# Altium PCB EL6905.PcbDoc (part 2 of 2)
Units mil, origin at the board's own origin, x right, y up, seen from the top; angles counter-clockwise.
Board outline 2401.57 x 1338.58 mil, 6 copper layers (L1_TOP, L2_GND, L3_HS, L4_POWER, L5_GND, L6_BOT), stack 61.6 mil thick; 95 components, 73 nets, 323 pads, 150 vias.
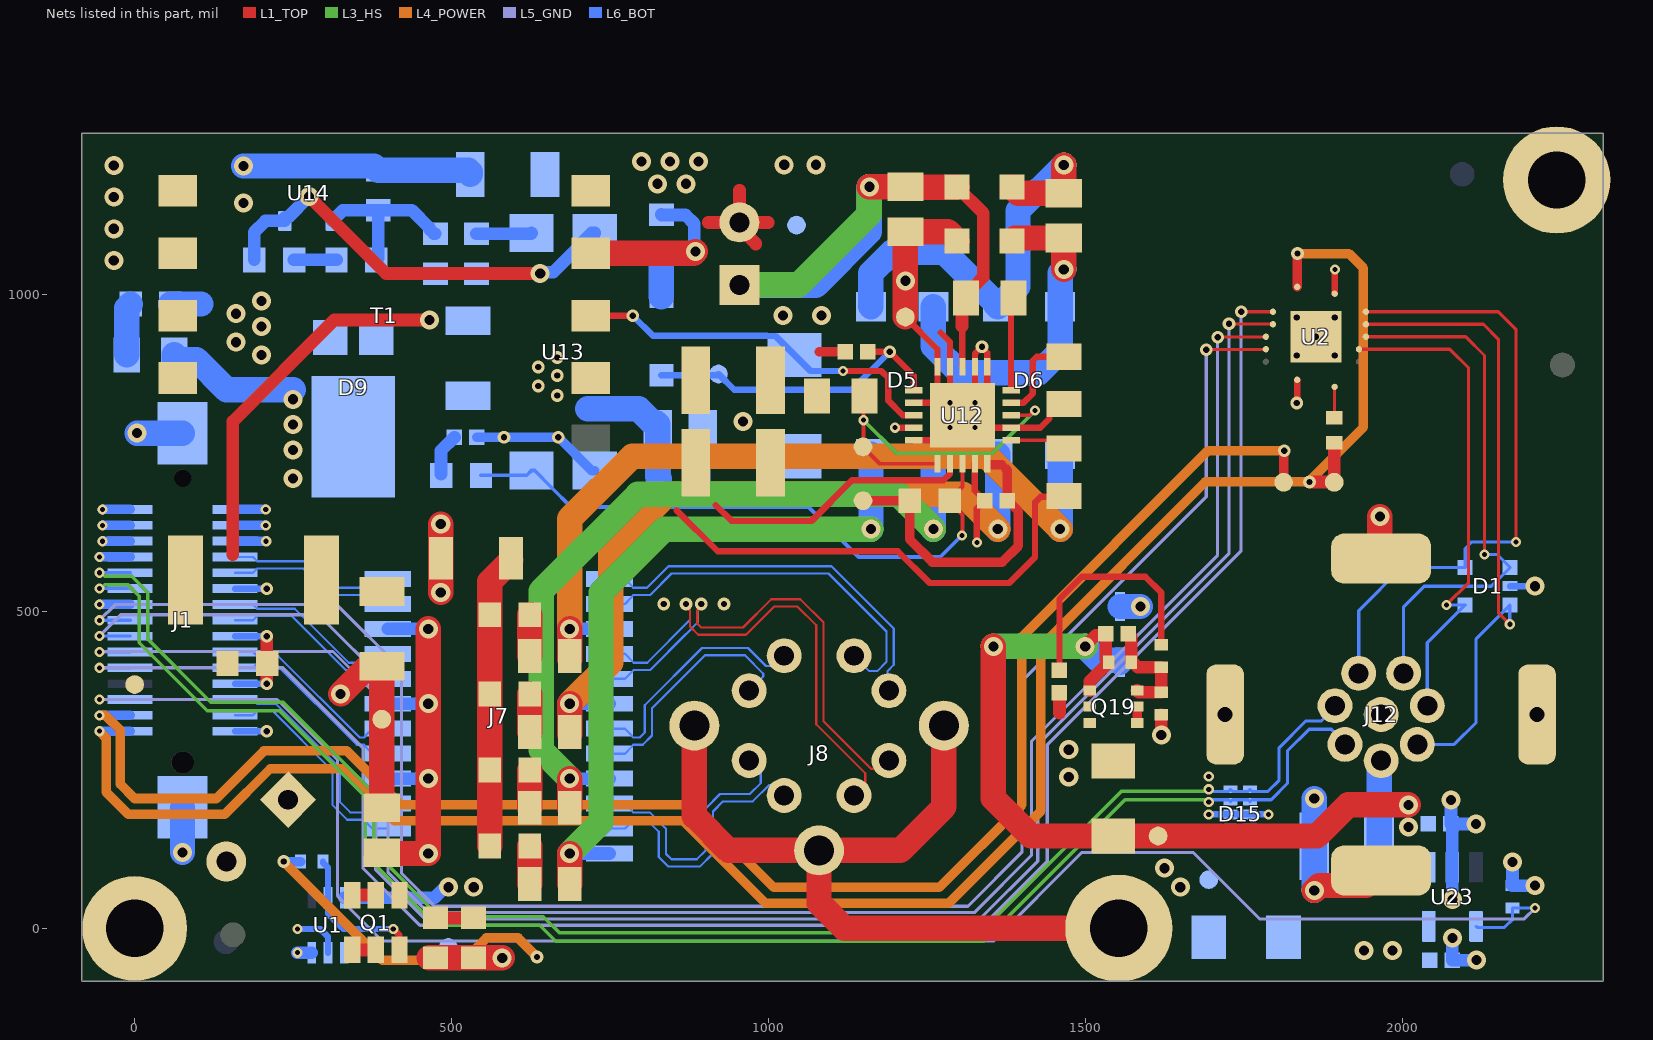
[diagram p6: the nets of this part, all layers, seen from the top]

## Part data (continued)
R89: library part CRCW080588K7FKEA, "RES SMD 88.7K OHM 1% 1/8W 0805", Case Code (Imperial)=0805, Case Code (Metric)=2012, Manufacturer 1=Vishay, Max Operating Temperature=155°C, Max Power Dissipation=125mW, Min Operating Temperature=-55°C, Package Quantity=10, Resistance=88.7kR, Supplier Part Number 1=541-88.7KCCT-ND, Temperature Coefficient=100ppm/°C, Tolerance=1%, Voltage Rating=150V, Case/Package=0805, ComponentLink1Description=https://datasheet.ciiva.com/7816/1697337-7816134.pdf?src-supplier=Element14, ComponentLink1URL=https://datasheet.ciiva.com/7816/1697337-7816134.pdf?src-supplier=Element14, ComponentLink2Description=https://datasheet.ciiva.com/2496/dcrcwe3-2496001.pdf?src-supplier=Digi-Key, ComponentLink2URL=https://datasheet.ciiva.com/2496/dcrcwe3-2496001.pdf?src-supplier=Digi-Key, ComponentLink3Description=https://datasheet.ciiva.com/2496/dcrcwe3-2496002.pdf?src-supplier=Digi-Key, ComponentLink3URL=https://datasheet.ciiva.com/2496/dcrcwe3-2496002.pdf?src-supplier=Digi-Key, ComponentLink4Description=https://datasheet.ciiva.com/2496/dcrcwe3-2496003.pdf?src-supplier=Digi-Key, ComponentLink4URL=https://datasheet.ciiva.com/2496/dcrcwe3-2496003.pdf?src-supplier=Digi-Key, ComponentLink5Description=https://datasheet.ciiva.com/7816/1697337-7816135.pdf?src-supplier=Element14, ComponentLink5URL=https://datasheet.ciiva.com/7816/1697337-7816135.pdf?src-supplier=Element14, ComponentLink6Description=https://datasheet.ciiva.com/22705/1697337-22705887.pdf?src-supplier=Element14, ComponentLink6URL=https://datasheet.ciiva.com/22705/1697337-22705887.pdf?src-supplier=Element14, Composition="Thick Film", Contact Plating=Tin, Features="Automotive AEC-Q200", Height=0.02inch, Height - Seated (Max)=0.02inch, Lead Free="Lead Free", Length=0.079inch, Manufacturer Part Number 1=CRCW080588K7FKEA, Number of Pins=2, Number of Terminations=2, Packaging="Tape and Reel", Power Rating=125mW, Pricing 1="1=0.10000, 10=0.06200, 100=0.02540, 1000=0.01142, 2500=0.00991 (USD)", Radiation Hardening=No, REACH SVHC=Unknown, RoHS=Yes, Stock 1=5728, Supplier 1=Digi-Key, Supplier 2=Newark, Supplier 3=Mouser, Supplier Part Number 2=53K0521, Supplier Part Number 3=71-CRCW0805-88.7K-E3, Termination=SMD/SMT, Voltage Rating (DC)=150V, Weight=0.000194oz, Width=0.049inch
R90: library part RC0603FR-0736K5L, "RES SMD 36.5K OHM 1% 1/10W 0603", Case Code (Imperial)=0603, Case Code (Metric)=1608, Manufacturer 1=Yageo, Max Operating Temperature=155°C, Max Power Dissipation=100mW, Min Operating Temperature=-55°C, Package Quantity=1, Resistance=36.5kR, Supplier Part Number 1=311-36.5KHRCT-ND, Temperature Coefficient=100ppm/°C, Tolerance=1%, Voltage Rating=50V, Working Voltage=75V, Case/Package=0603, ComponentLink1Description=https://datasheet.ciiva.com/2491/pyu-r-int-thick-7-2491306.pdf?src-supplier=Digi-Key, ComponentLink1URL=https://datasheet.ciiva.com/2491/pyu-r-int-thick-7-2491306.pdf?src-supplier=Digi-Key, ComponentLink2Description=https://datasheet.ciiva.com/2491/pyu-r-int-thick-7-2491307.pdf?src-supplier=Digi-Key, ComponentLink2URL=https://datasheet.ciiva.com/2491/pyu-r-int-thick-7-2491307.pdf?src-supplier=Digi-Key, ComponentLink3Description=https://datasheet.ciiva.com/2491/pyu-r-int-thick-7-2491308.pdf?src-supplier=Digi-Key, ComponentLink3URL=https://datasheet.ciiva.com/2491/pyu-r-int-thick-7-2491308.pdf?src-supplier=Digi-Key, Composition="Thick Film", Depth=0.8mm, Features="Moisture Resistant", Height=0.022inch, Lead Free="Lead Free", Length=0.063inch, Manufacturer Part Number 1=RC0603FR-0736K5L, Military Standard=Not, Number of Terminations=2, Packaging="Tape and Reel", Power Rating=100mW, Pricing 1="1=0.10000, 10=0.02300, 100=0.00940, 1000=0.00421, 2500=0.00366 (USD)", RoHS=Yes, Stock 1=763857, Supplier 1=Digi-Key, Supplier 2=Mouser, Supplier 3="Future Electronics", Supplier Part Number 2=603-RC0603FR-0736K5L, Supplier Part Number 3=RC0603FR-0736K5L-CUTT, Termination=SMD/SMT, Voltage Rating (DC)=50V, Width=0.031inch
R91: library part RC0603FR-0712K1L, "RES SMD 12.1K OHM 1% 1/10W 0603", Case Code (Imperial)=0603, Case Code (Metric)=1608, Manufacturer 1=Yageo, Max Operating Temperature=155°C, Max Power Dissipation=100mW, Min Operating Temperature=-55°C, Package Quantity=1, Resistance=12.1kR, Supplier Part Number 1=311-12.1KHRCT-ND, Temperature Coefficient=100ppm/°C, Tolerance=1%, Voltage Rating=50V, Case/Package=0603, ComponentLink1Description=https://datasheet.ciiva.com/2519/pyu-r-int-thick-7-2519216.pdf?src-supplier=Digi-Key, ComponentLink1URL=https://datasheet.ciiva.com/2519/pyu-r-int-thick-7-2519216.pdf?src-supplier=Digi-Key, ComponentLink2Description=https://datasheet.ciiva.com/2519/pyu-r-int-thick-7-2519217.pdf?src-supplier=Digi-Key, ComponentLink2URL=https://datasheet.ciiva.com/2519/pyu-r-int-thick-7-2519217.pdf?src-supplier=Digi-Key, ComponentLink3Description=https://datasheet.ciiva.com/2519/pyu-r-int-thick-7-2519218.pdf?src-supplier=Digi-Key, ComponentLink3URL=https://datasheet.ciiva.com/2519/pyu-r-int-thick-7-2519218.pdf?src-supplier=Digi-Key, ComponentLink4Description=https://datasheet.ciiva.com/15159/getdatasheetpartid-28802-15159207.pdf?src-supplier=Verical, ComponentLink4URL=https://datasheet.ciiva.com/15159/getdatasheetpartid-28802-15159207.pdf?src-supplier=Verical, ComponentLink5Description=https://datasheet.ciiva.com/12558/rc0603-272842-12558574.pdf?src-supplier=Mouser, ComponentLink5URL=https://datasheet.ciiva.com/12558/rc0603-272842-12558574.pdf?src-supplier=Mouser, ComponentLink6Description=https://datasheet.ciiva.com/46395/443971-46395022.pdf?src-supplier=Element14, ComponentLink6URL=https://datasheet.ciiva.com/46395/443971-46395022.pdf?src-supplier=Element14, Composition="Thick Film", Depth=0.8mm, Features="Moisture Resistant", Height=0.022inch, Lead Free="Lead Free", Length=1.6mm, Manufacturer Part Number 1=RC0603FR-0712K1L, Military Standard=Not, Number of Pins=2, Number of Terminations=2, Packaging="Tape and Reel", Power Rating=100mW, Pricing 1="1=0.10000, 10=0.02300, 100=0.00940, 1000=0.00421, 2500=0.00366 (USD)", REACH SVHC="No SVHC", RoHS=Yes, Stock 1=267774, Supplier 1=Digi-Key, Supplier 2=Newark, Supplier 3=Mouser, Supplier Part Number 2=66R2021, Supplier Part Number 3=603-RC0603FR-0712K1L, Termination=SMD/SMT, Voltage Rating (DC)=50V, Width=0.031inch
R92: library part RC0805FR-0748R7L, "RES SMD 48.7 OHM 1% 1/8W 0805", Case Code (Imperial)=0805, Case Code (Metric)=2012, Manufacturer 1=Yageo, Max Operating Temperature=155°C, Max Power Dissipation=125mW, Min Operating Temperature=-55°C, Package Quantity=1, Resistance=48.7R, Supplier Part Number 1=311-48.7CRCT-ND, Temperature Coefficient=100ppm/°C, Tolerance=1%, Voltage Rating=150V, Case/Package=0805, ComponentLink1Description=https://datasheet.ciiva.com/2457/pyu-r-int-thick-7-2457344.pdf?src-supplier=Digi-Key, ComponentLink1URL=https://datasheet.ciiva.com/2457/pyu-r-int-thick-7-2457344.pdf?src-supplier=Digi-Key, ComponentLink2Description=https://datasheet.ciiva.com/2457/pyu-r-int-thick-7-2457345.pdf?src-supplier=Digi-Key, ComponentLink2URL=https://datasheet.ciiva.com/2457/pyu-r-int-thick-7-2457345.pdf?src-supplier=Digi-Key, ComponentLink3Description=https://datasheet.ciiva.com/2457/pyu-r-int-thick-7-2457346.pdf?src-supplier=Digi-Key, ComponentLink3URL=https://datasheet.ciiva.com/2457/pyu-r-int-thick-7-2457346.pdf?src-supplier=Digi-Key, Composition="Thick Film", Contact Plating=Tin,Matte, Depth=1.25mm, Features="Moisture Resistant", Height=0.024inch, Lead Free="Lead Free", Length=2mm, Manufacturer Part Number 1=RC0805FR-0748R7L, Military Standard=Not, Number of Terminations=2, Packaging="Tape and Reel", Power Rating=125mW, Pricing 1="1=0.10000, 10=0.04000, 100=0.01630, 1000=0.00731, 2500=0.00635 (USD)", Radiation Hardening=No, RoHS=Yes, Stock 1=11096, Supplier 1=Digi-Key, Supplier 2=Mouser, Supplier 3=Arrow, Supplier Part Number 2=603-RC0805FR-0748R7L, Supplier Part Number 3=RC0805FR-0748R7L, Termination=SMD/SMT, Voltage Rating (DC)=150V, Width=0.049inch
R137: library part CMP-013-000029-9, "RES SMD 470 OHM 1% 1/16W 0402", Case/Package=0402, Manufacturer 1=Vishay, Max Operating Temperature=155°C, Min Operating Temperature=-55°C, Power Rating=63mW, Tolerance=1%, Voltage Rating=50V, Design Item ID=CRCW0402470RFKED, Manufacturer Part Number 1=CRCW0402470RFKED
R138: library part CMP-013-000001-9, "RES SMD 17.8K OHM 1% 1/10W 0402", Case/Package=0402, Manufacturer 1=Panasonic, Max Operating Temperature=155°C, Min Operating Temperature=-55°C, Power Rating=100mW, Tolerance=1%, Voltage Rating=50V, Design Item ID=ERJ-2RKF1782X, Manufacturer Part Number 1=ERJ-2RKF1782X
T1: "TRANS FLYBACK POE 127UH SMD", Case/Package=SMD/SMT, Current Rating=1.3A, Frequency=500kHz, Inductance=127uH, Manufacturer 1="Wurth Electronics", Max Input Voltage=57V, Max Operating Temperature=125°C, Min Input Voltage=36V, Min Operating Temperature=-40°C, Output Voltage=5V, Package Quantity=1, Power Rating=13W, Supplier Part Number 1=732-2432-1-ND, ComponentLink1Description="Manufacturer URL", ComponentLink1URL=http://www.we-online.com, ComponentLink2Description=Datasheet, ComponentLink2URL=http://www.we-online.de/katalog/media/pdf/749119950.pdf, ComponentLink3Description=https://datasheet.ciiva.com/1378/749119950-1378246.pdf?src-supplier=Element14, ComponentLink3URL=https://datasheet.ciiva.com/1378/749119950-1378246.pdf?src-supplier=Element14, ComponentLink4Description=https://datasheet.ciiva.com/5309/749119950-91646-5309801.pdf?src-supplier=Mouser, ComponentLink4URL=https://datasheet.ciiva.com/5309/749119950-91646-5309801.pdf?src-supplier=Mouser, ComponentLink5Description=https://datasheet.ciiva.com/1386/749119950-1386647.pdf?src-supplier=Farnell, ComponentLink5URL=https://datasheet.ciiva.com/1386/749119950-1386647.pdf?src-supplier=Farnell, ComponentLink6Description=https://datasheet.ciiva.com/2940/749119950-2940138.pdf?src-supplier=Digi-Key, ComponentLink6URL=https://datasheet.ciiva.com/2940/749119950-2940138.pdf?src-supplier=Digi-Key, ComponentLink7Description=https://datasheet.ciiva.com/2940/749119950-2940139.pdf?src-supplier=Digi-Key, ComponentLink7URL=https://datasheet.ciiva.com/2940/749119950-2940139.pdf?src-supplier=Digi-Key, Height=12.5mm, Height - Seated (Max)=12.5mm, Length=13.5mm, Manufacturer Part Number 1=749119950, Mount="Surface Mount", Packaging="Tape and Reel", Pricing 1="1=5.64000, 10=5.44300, 50=5.14100, 100=4.83800 (USD)", REACH SVHC="No SVHC", RoHS=Yes, Stock 1=148, Supplier 1=Digi-Key, Supplier 2=Digi-Key, Supplier 3=Mouser, Supplier Part Number 2=732-2432-6-ND, Supplier Part Number 3=710-749119950, Width=17.75mm
TP1 TP2 TP3 TP4 TP5 TP6 TP27 TP28 TP29 TP30 TP31 TP32 TP33: library part CMP-015-000000-2, Manufacturer Part Number 1=/, Design Item ID=TEST_POINT, Source=LuxonisMaster.SchLib
U1: library part CMP-099-000001-2, "IC OR CTRLR IDEAL DIODE SC70-6", Manufacturer 1="Texas Instruments", Manufacturer Part Number 1=LM66100DCKR
U2: library part CMP-015-00034-2, "Interface Circuit, PQCC14", Case/Package=HVQCCN, Manufacturer Part Number 1=TXS0104ERGYR, Pins=14
U12: "IC POE CNTRL 1 CHANNEL 20QFN", Manufacturer 1="Silicon Labs", Supplier Part Number 1=336-4270-ND, ComponentLink1Description=https://www.silabs.com/documents/public/data-sheets/si3404-datasheet.pdf?src-supplier=Digi-Key, ComponentLink1URL=https://www.silabs.com/documents/public/data-sheets/si3404-datasheet.pdf?src-supplier=Digi-Key, Manufacturer Part Number 1=SI3404-A-GM, Pricing 1="1=1.46000, 25=1.41040, 100=1.35600, 1000=1.33340 (USD)", RoHS=No, Stock 1=1481, Supplier 1=Digi-Key, Supplier 2=Mouser, Supplier Part Number 2=634-SI3404-A-GM
U13: "OPTOISOLATOR 5.3KV TRANS 4-SMD", Case/Package=SMD/SMT, Collector Emitter Saturation Voltage=400mV, Collector Emitter Voltage (VCEO)=80V, Current Transfer Ratio=100%, Forward Current=60mA, Forward Voltage=1.1V, Isolation Voltage=5.3kV, Manufacturer 1="Vishay Semiconductors", Max Collector Current=50mA, Max Operating Temperature=110°C, Max Power Dissipation=150mW, Min Operating Temperature=-55°C, Package Quantity=1, Reverse Breakdown Voltage=6V, Supplier Part Number 1=VO618A-3X017TCT-ND, ComponentLink1Description=https://datasheet.ciiva.com/26183/vo618a-26183397.pdf?src-supplier=Avnet+Europe, ComponentLink1URL=https://datasheet.ciiva.com/26183/vo618a-26183397.pdf?src-supplier=Avnet+Europe, ComponentLink2Description=https://datasheet.ciiva.com/2087/vo618a-2087431.pdf?src-supplier=Digi-Key, ComponentLink2URL=https://datasheet.ciiva.com/2087/vo618a-2087431.pdf?src-supplier=Digi-Key, ComponentLink3Description=https://datasheet.ciiva.com/2087/vo618a-2087432.pdf?src-supplier=Digi-Key, ComponentLink3URL=https://datasheet.ciiva.com/2087/vo618a-2087432.pdf?src-supplier=Digi-Key, ComponentLink4Description=https://datasheet.ciiva.com/2087/vo618a-2087433.pdf?src-supplier=Digi-Key, ComponentLink4URL=https://datasheet.ciiva.com/2087/vo618a-2087433.pdf?src-supplier=Digi-Key, Contact Plating=Tin, Input Current=60mA, Lead Free="Lead Free", Manufacturer Part Number 1=VO618A-3X017T, Max Input Current=60mA, Max Output Voltage=80V, Mount="Surface Mount", Number of Channels=1, Number of Elements=1, Number of Pins=4, Output Current per Channel=50mA, Packaging="Tape and Reel", Power Dissipation=150mW, Pricing 1="1=1.04000, 10=0.80900, 100=0.51980, 500=0.43890 (USD)", Radiation Hardening=No, REACH SVHC=Unknown, RoHS=Yes, Stock 1=28306, Supplier 1=Digi-Key, Supplier 2=Newark, Supplier 3=Mouser, Supplier Part Number 2=48W3695, Supplier Part Number 3=78-VO618A-3X017T
U14: library part TLV431BCDBZR, "IC VREF SHUNT ADJ SOT23-3", Case/Package=SOT-23, Cathode Current=100uA, Manufacturer 1="Texas Instruments", Max Input Voltage=7V, Max Operating Temperature=125°C, Max Output Current=15mA, Max Output Voltage=6V, Min Input Voltage=1.24V, Min Operating Temperature=-40°C, Package Quantity=1, Supplier Part Number 1=296-17569-1-ND, Temperature Coefficient=129ppm/°C, Tolerance=0.5%, ComponentLink1Description=https://datasheet.ciiva.com/26889/tlv431bcdbzr-26889546.pdf?src-supplier=IIIC, ComponentLink1URL=https://datasheet.ciiva.com/26889/tlv431bcdbzr-26889546.pdf?src-supplier=IIIC, ComponentLink2Description=https://datasheet.ciiva.com/2006/tlv431a-2006546.pdf?src-supplier=Digi-Key, ComponentLink2URL=https://datasheet.ciiva.com/2006/tlv431a-2006546.pdf?src-supplier=Digi-Key, ComponentLink3Description=https://datasheet.ciiva.com/2006/tlv431a-2006547.pdf?src-supplier=Digi-Key, ComponentLink3URL=https://datasheet.ciiva.com/2006/tlv431a-2006547.pdf?src-supplier=Digi-Key, ComponentLink4Description=https://datasheet.ciiva.com/2006/tlv431a-2006548.pdf?src-supplier=Digi-Key, ComponentLink4URL=https://datasheet.ciiva.com/2006/tlv431a-2006548.pdf?src-supplier=Digi-Key, ComponentLink5Description=https://datasheet.ciiva.com/26264/tlv431b-26264234.pdf?src-supplier=Avnet+Europe, ComponentLink5URL=https://datasheet.ciiva.com/26264/tlv431b-26264234.pdf?src-supplier=Avnet+Europe, ComponentLink6Description=https://datasheet.ciiva.com/46397/1887487-46397709.pdf?src-supplier=Element14, ComponentLink6URL=https://datasheet.ciiva.com/46397/1887487-46397709.pdf?src-supplier=Element14, Lead Free="Lead Free", Manufacturer Part Number 1=TLV431BCDBZR, Number of Channels=1, Number of Pins=3, Output Current=15mA, Output Voltage=6V, Packaging="Tape and Reel", Pricing 1="1=0.92000, 10=0.81200, 100=0.57850, 500=0.46772, 1000=0.35695 (USD)", Radiation Hardening=No, REACH SVHC="No SVHC", Reference Type=Shunt,Adjustable, Reference Voltage=6V, RoHS=Yes, Stock 1=3209, Supplier 1=Digi-Key, Supplier 2="TI store", Supplier 3=Mouser, Supplier Part Number 2=TLV431BCDBZR, Supplier Part Number 3=595-TLV431BCDBZR
U23: library part CMP-019-00050-2, "Single Channel Power Distribution Load Switch, -40 to 85°C, Rohs", Case/Package=SOT-25, Manufacturer 1="Diodes Incorporated", Max Output Current=0A, Manufacturer Part Number 1=AP22814AW5-7, Vfb/Vout=0V

## Free pads (board coordinates)
  round 165.35 hole 90.55 mask+2: ""(0,0)
  round 169.29 hole 90.55 mask+4: ""(1553.15,0) ""(2244.09,1181.1)

## Via types
v1: diameter 30, hole 16, L1_TOP to L6_BOT, tented both sides, 76 vias
v2: diameter 16, hole 8, L1_TOP to L6_BOT, tented both sides, 41 vias
v3: diameter 20, hole 10, L1_TOP to L6_BOT, tented both sides, 33 vias

## Nets (pads, with @x,y where several pads share a name; then routed paths per layer and width w, separated by ;. In a path a pad name is that pad's centre, name@x,y a point inside that pad or via, vN(x,y) a via of type N, cw(c..) or ccw(c..) an arc to the next point about the centre after c; other vN are vias at no path point)
1V8: J1.30 R4.2 TP3.1 U2.1 | length 3248.4
  L1_TOP w15: U2.1@1834.56,1012.43 1834.56,1064.56 v3(1835,1065)
  L1_TOP w20: v3(1854,704.5) 1892.5,704.5 TP3.1@1893,704 R4.2@1893,766.31
  L4_POWER w15: v2(-55.66,311.22) -45,300.56 -45,215 -10,180 142,180 214,252 328,252 410,170 865,170 995,40 1285,40 1430,185 1430,445 1689.5,704.5 v3(1854,704.5) 1854,705.85 1939,790.85 1939,1042 1916,1065 v3(1835,1065)
  L6_BOT w15: v2(-55.66,311.22) J1.30@-7.09,311.22
3V3: J1.29 TP4.1 | length 2631.9
  L1_TOP w15: TP4.1@1813,704 1813.5,704.5 1813.5,753.5 v3(1814,754)
  L4_POWER w15: v2@-55.39,336.22 -46.22,336.22 -22.83,312.83 -22.83,227.83 0,205 129,205 204,280 335,280 420,195 878.17,195 1008.17,65 1270,65 1400,195 1400,460 1694,754 v3@1812.65,754
  L6_BOT w15: v2(-55.66,336.22) J1.29@-7.09,336.22
5V_PoE: C84.2 C90.1 C92.2 L5.2 Q1.1 Q1.2 Q1.5 Q1.6 R85.2 R90.2 TP28.1 U1.3 | length 683.5
  L1_TOP w20: 155,590 155,800 315,960 v1(465,960) ; Q1.1@343.2,-34 Q1.2@380.6,-34 ; Q1.6@343.2,52.61 Q1.5@380.6,52.61
  L6_BOT w20: v2(257,-38.31) U1.3@279.41,-38.31
BOOT/WS: J1.24 U2.4 | length 2955.2
  L1_TOP w5: v3(1709,933) 1709.34,933.34 1784.61,933.34 U2.4@1784.95,933.69
  L5_GND w5: v2(-55.66,461.22) -21.88,495 290,495 400,385 400,88 463,25 1325,25 1415,115 1415,295 1709,589 v3(1709,933)
  L6_BOT w5: v2(-55.66,461.22) J1.24@-7.09,461.22
BOOT/WS_5V: D1.1 J12.1 U2.11 | length 861
  L1_TOP w5: U2.11@1942.83,933.69 2100.32,933.69 2130,904 v2(2130,590)
  L6_BOT w5: J12.1@2002.41,402.55 2002.41,507.41 2035,540 2140.91,540 D1.1@2170.43,569.53 2149.96,590 v2(2130,590)
CT1: C54.2 D5.2 J7.24 | length 1129.5
  L1_TOP w40: C54.2@686.5,70 v1(686.5,118.31)
  L3_HS w40: v1(686.5,118.31) 736,167.81 736,530 836,630 v1(1162,630)
  L6_BOT w20: v1(686.5,118.31) J7.24@749.37,118.31
  L6_BOT w40: v1(1162,630) D5.2@1162,748.7
CT2: C53.2 D5.3 J7.21 | length 1247
  L1_TOP w40: C53.2@686.5,190.55 v1(686.5,236.42)
  L3_HS w40: v1(686.5,236.42) 641.5,281.42 641.5,532.5 794,685 1205.42,685 v1(1260.42,630)
  L6_BOT w20: v1(686.5,236.42) J7.21@749.37,236.42
  L6_BOT w40: v1(1260.42,630) D5.3@1260.42,748.7
EROUT: R84.1 R86.2 U12.3 U13.4 | length 962.8
  L1_TOP w5.91: v2(1305.59,620.3) 1306.21,620.92 1306.21,652.53 1285.87,672.87 1285.87,676.81 1306.21,697.16 U12.3@1306.21,733.07
  L6_BOT w5.91: R86.2@546.5,715 618.77,715 U13.4@626.21,722.44 631.33,722.44 658.3,695.47 688.77,665 1063.46,665 1142.46,586 1271.29,586 v2(1305.59,620.3)
EXT_GPIO3: J1.23 U2.5 | length 2943.4
  L1_TOP w5: v3(1691,913) 1691.5,913.5 1784.45,913.5 U2.5@1784.95,914
  L5_GND w5: v2(-55.66,486.22) -30.88,511 319,511 421,409 421,87 473,35 1315,35 1400,120 1400,390 1691,681 v3(1691,913)
  L6_BOT w5: v2(-55.66,486.22) J1.23@-7.09,486.22
FSYNC/SD0: J1.26 U2.2 | length 2909.6
  L1_TOP w5: v3(1746,973.06) U2.2@1796.17,973.06
  L5_GND w5: v2(-55.66,411.22) 233.78,411.22 360.5,284.5 360.5,94.5 450,5 1339.04,5 1440,105.96 1440,290 1746,596 v3(1746,973.06)
  L6_BOT w5: v2(-55.66,411.22) J1.26@-7.09,411.22
FSYNC/SD0_5V: D1.5 J12.2 U2.13 | length 993.8
  L1_TOP w5: U2.13@1942.83,973.06 2151.94,973.06 2180,945 v2(2180,610)
  L6_BOT w5: J12.2@1931.54,402.55 1931.54,501.54 1999.53,569.53 D1.5@2099.57,569.53 2099.57,599.57 2110,610 v2(2180,610)
GND: C1.1 C2.1 C50.1 C55.1 C90.2 C91.1 C92.1 C99.2 C119.1 C120.2 C121.1 D1.2 D15.3 D15.8 D20.1 J1.1 J1.4 J1.7 J1.10 J1.13 J1.19 J1.22 J1.P1 J1.P2 J8.9 J12.8 J12.9 J12.10 J12.11 J12.12 pad. R91.1 R106.2 R138.1 T1.9 T1.10 TP30.1 U1.2 U2.7 U2.15 U14.3 U23.2 | length 3725.5
  L1_TOP w10: v3(1834,829) 1834.56,829.56 U2.7@1834.56,865.77
  L1_TOP w20: v3(208.34,386.22) 208.34,416.84 C92.1@209.5,418 208.34,419.16 v3(208.34,461.22) ; v1(1620,305) R138.1@1620,337.28
  L1_TOP w40: v1(325,370) 365.94,410.94 387.36,410.94 C91.1@390,413.58 C50.1@390,190.43 ; C1.1@465,-46.5 C1.1@475,-46.5 C2.1@530,-46.5 ; v1(483,530) 483,583.5 C55.1@483.5,584 483,584.5 v1(483,638) ; C2.1@535,-46.5 v1(580,-46.5) ; J8.9@883.15,320.02 883.15,177.14 937.12,123.17 J8.9@1080,123.17 ; J8.9@1276.85,320.02 1276.85,191.85 1208.17,123.17 J8.9@1080,123.17 ; pad.@1553.15,0 1120,0 1080,40 J8.9@1080,123.17 ; v1(1861.45,60) 1869.25,67.79 1943.27,67.79 J12.9@1961.98,86.49 ; J12.11@1965,581.64 v1(1965,650)
  L6_BOT w10: J1.1@158.27,311.22 v3(208.34,311.22) ; J1.4@158.27,386.22 v3(208.34,386.22) ; J1.7@158.27,461.22 v3(208.34,461.22) ; J1.10@158.27,536.22 v3(208.34,536.22) ; v2(257,-1) 293,-1 305,-13 U1.2@305,-38.31 ; v2(1694.94,179.53) 1695.42,180 D15.8@1729.29,180 D15.3@1760,180 v2(1789.13,180) ; D1.2@2170.43,540 v1(2210,540)
  L6_BOT w15: v2(-55.66,511.22) J1.22@-7.09,511.22 ; v2(-55.66,586.22) J1.19@-7.09,586.22 ; J1.13@159,611 v2(207.58,611)
  L6_BOT w20: v1(2077.09,202.91) C121.1@2077.09,164.84 ; v1(2079.37,-15) C119.1@2079.37,-50 v1(2117.22,-50) ; v1(2079.37,45.63) U23.2@2079.37,96.5 2079.37,162.56 C121.1@2077.09,164.84 ; v1(2116.77,164.84) C121.1@2077.09,164.84 ; v1(2174.37,105) R106.2@2174.37,67.56 v1(2210,67.56)
  L6_BOT w40: v1(3.62,781.5) J1.P2@75.59,781.5 ; v1(75.59,120.06) J1.P1@75.59,190.95 ; v1(171.77,1203.15) U14.3@274.37,1203.15 377.56,1203.15 R91.1@384.37,1196.34 526.73,1196.34 529.37,1193.7 C99.2@529.37,1189.84 ; D20.1@1555,508 v1(1587,508) ; v1(1861.45,60) v1(1861.45,205)
  other v1: -33,1054 -33,1104 171.77,1145 -33,1154 -33,1204
  other v2: 1694.94,240
  other v3: 1834,904 1894,904 1864.09,933.69 1834,964 1894,964
GPIO3_5V: D1.4 J12.7 U2.10 | length 787.8
  L1_TOP w5: U2.10@1932.5,914.5 U2.10@1932,914 2075.32,914 2105,884.31 2105,545.47 v2(2070,510.47)
  L6_BOT w5: J12.7@2039.81,351.37 2039.81,450.72 D1.4@2099.57,510.47 v2(2070,510.47)
HSO: R89.2 U12.10 | length 147.2
  L1_TOP w10: U12.10@1382.98,849.21 1382.98,991.05 R89.2@1386.77,994.84
ISNS: R83.1 TP31.1 U12.1 U12.8 | length 570.1
  L1_TOP w5.91: R83.1@1151.77,839.84 1150,838.07 v2(1150,802) 1150,760.47 TP31.1@1149.37,759.84 1176.14,733.07 U12.1@1266.84,733.07 ; U12.8@1382.98,809.84 1412.14,809.84 1419.3,817 v2(1420.65,817)
  L3_HS w5.91: v2(1150,802) 1202,750 1353.65,750 v2(1420.65,817)
MD1_N: J1.3 J7.3 | length 352.8
  L6_BOT w3.5: J1.3@158.27,361.22 186.81,361.22 193.56,354.47 222.76,354.47 323.5,253.73 323.5,199.96 340.35,183.11 362.06,183.11 364.11,185.16 364.11,186.2 374.96,197.05 J7.3@399.37,197.05
MD1_P: J1.2 J7.2 | length 351.8
  L6_BOT w3.5: J1.2@158.27,336.22 186.81,336.22 193.56,342.97 218,342.97 312,248.97 312,218 ; 312,217.04 312,195.2 335.59,171.61 362.06,171.61 364.11,169.56 364.11,168.53 374.96,157.68 J7.2@399.37,157.68
MD2_N: J1.6 J7.6 | length 303.4
  L6_BOT w3.5: J1.6@158.27,436.22 186.81,436.22 193.56,429.47 226.79,429.47 355.04,301.22 362.06,301.22 364.11,303.27 364.11,304.31 374.96,315.16 J7.6@399.37,315.16
MD2_P: J1.5 J7.5 | length 303.4
  L6_BOT w3.5: J1.5@158.27,411.22 186.81,411.22 193.56,417.97 222.03,417.97 350.28,289.72 362.06,289.72 364.11,287.67 364.11,286.64 374.96,275.79 J7.5@399.37,275.79
MD3_N: J1.9 J7.9 | length 284.9
  L6_BOT w3.5: J1.9@158.27,511.22 186.81,511.22 193.56,504.47 252.53,504.47 337.67,419.33 361.03,419.33 364.11,422.42 374.96,433.27 J7.9@399.37,433.27
MD3_P: J1.8 J7.8 | length 284.9
  L6_BOT w3.5: J1.8@158.27,486.22 186.81,486.22 193.56,492.97 247.77,492.97 332.9,407.83 360.23,407.83 374.16,393.9 J7.8@399.37,393.9